# KiCad board central-control-unit.kicad_pcb (continued)
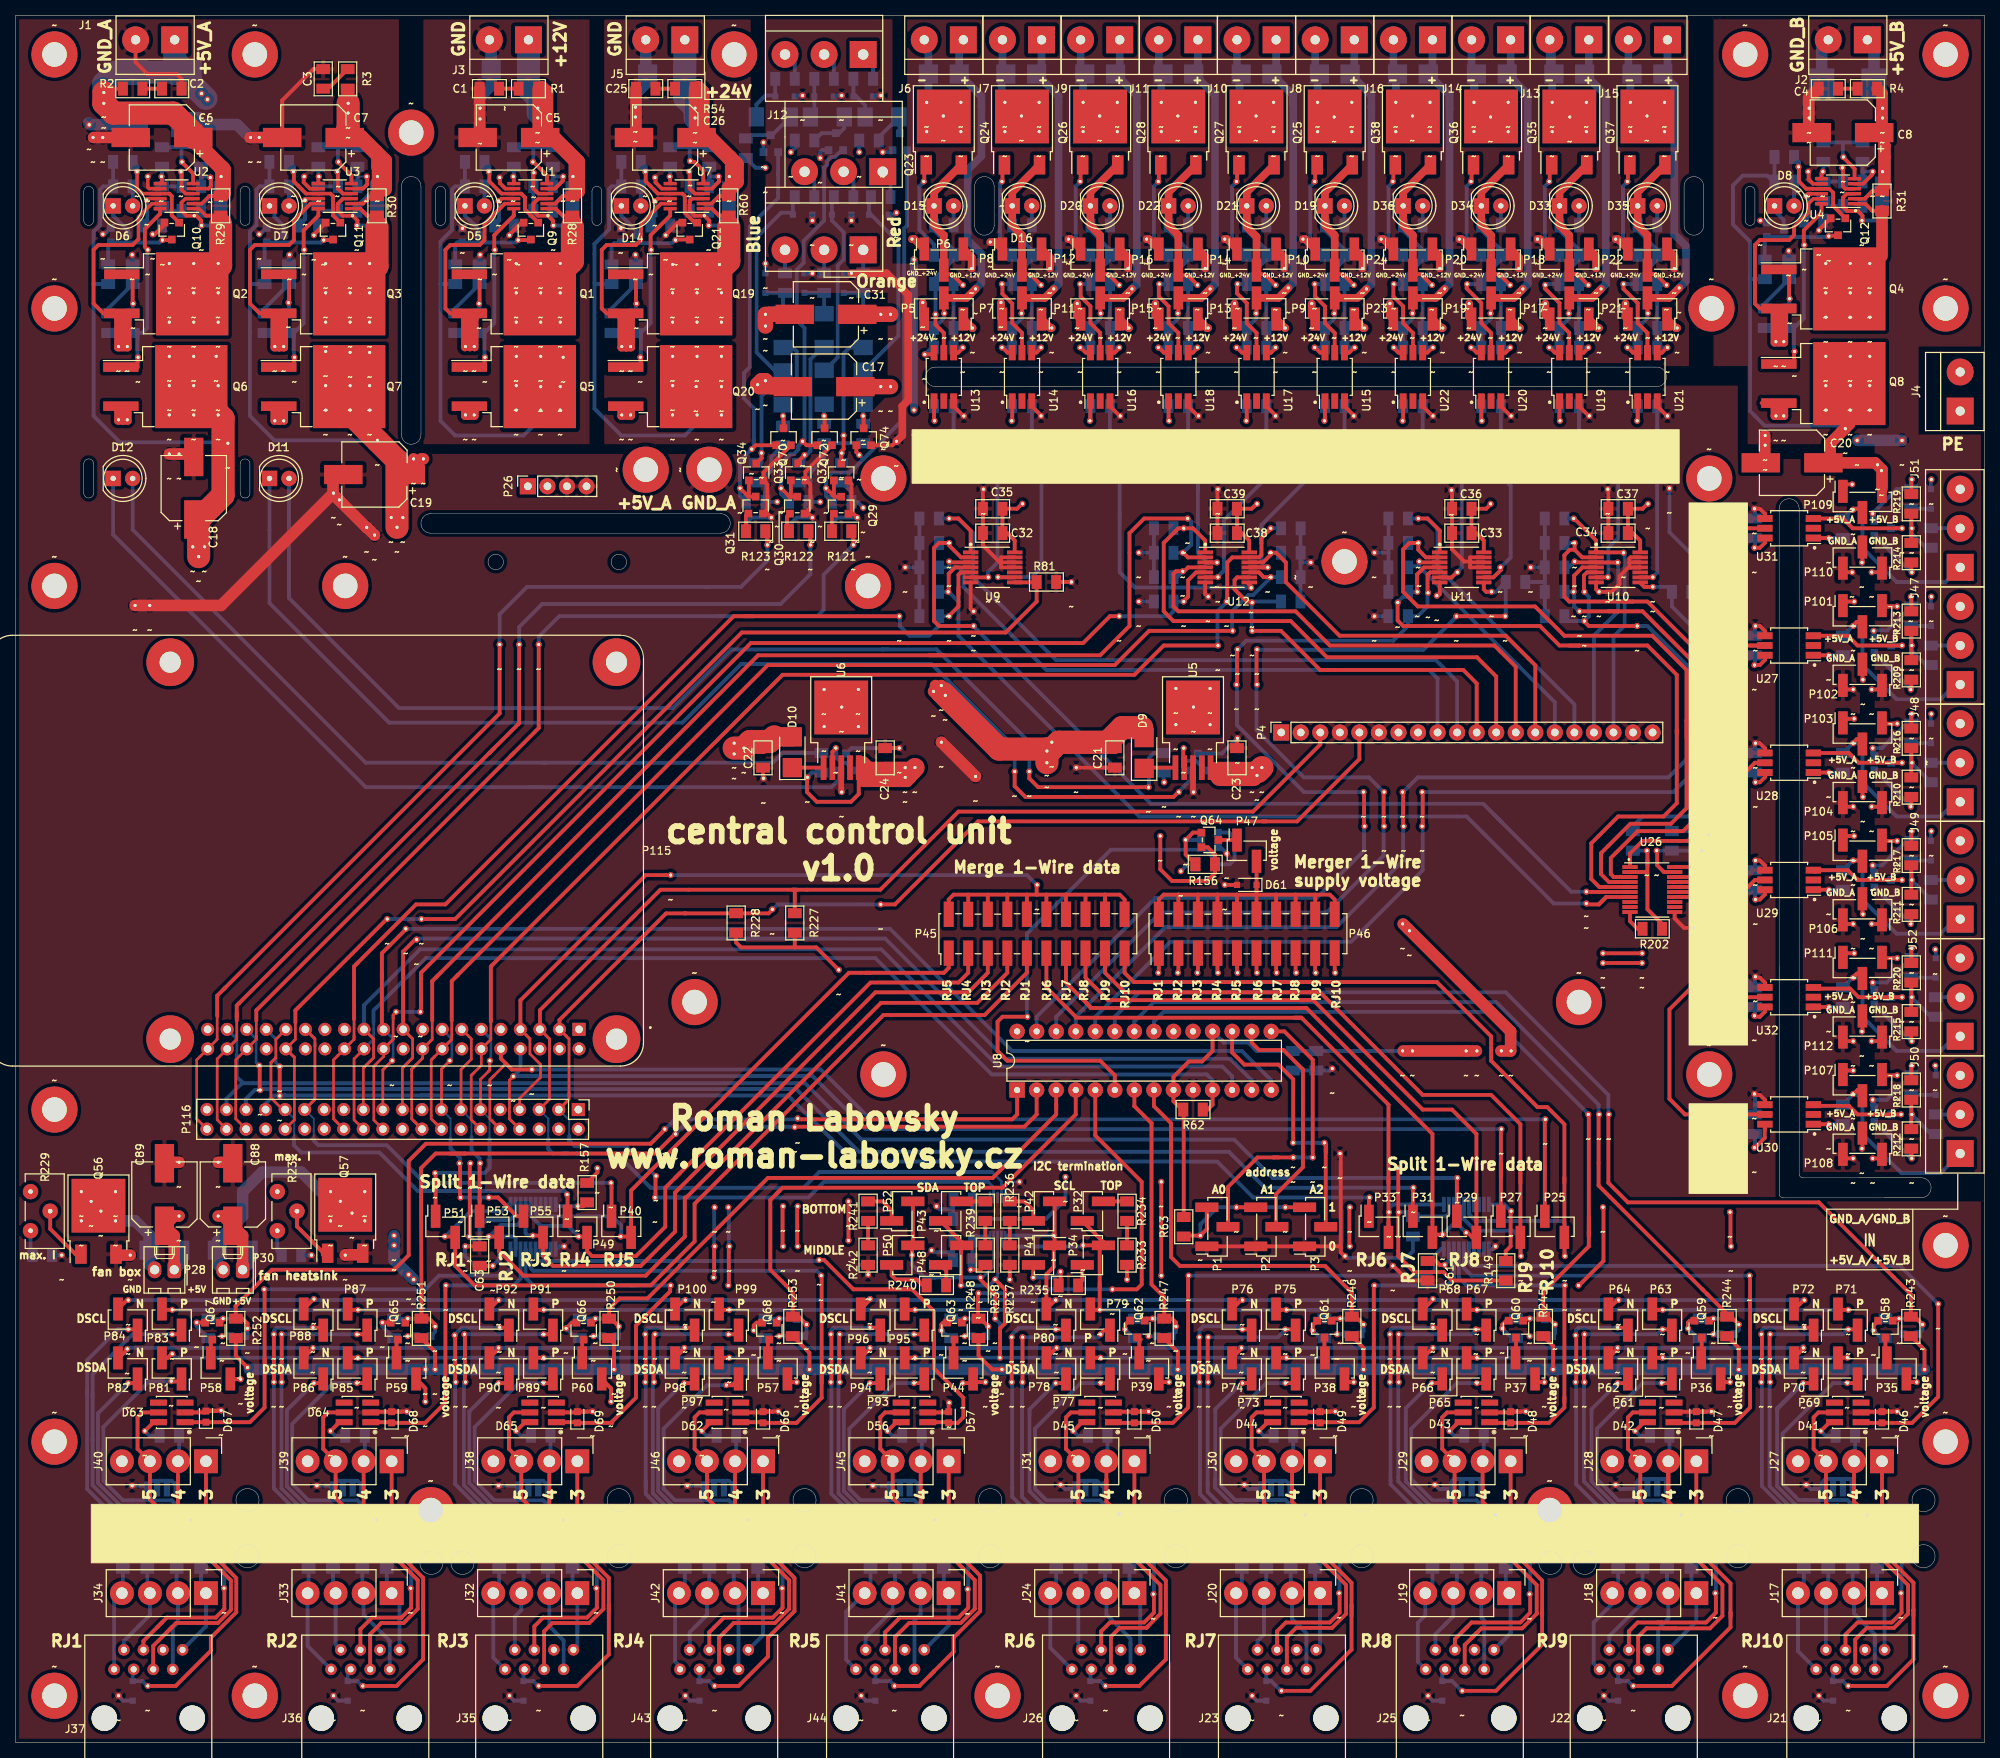
[diagram p0: board, top side]
## Routing (per net, layer and track width the routed paths; a pad name or vN(x,y) marks a point on that pad's centre or on a via; arc(x,y) is an arc through that point) (continued)
  Top w1.5: 60.33,211.2 60.33,208.91 ; 60.33,208.91 C5.2 ; 60.33,208.91 C1.2
  Top w2: 98.23,176.28 ~#1070.~ 96.96,177.04 ~#1071.~ 96.71,176.28 C17.2 98.23,176.28
  GND.Cu w1.5: 58.1,196.72 63.82,196.72 64.45,197.36 ; 65.09,197.99 64.45,197.36 ; 64.45,197.36 63.06,195.96 ; 63.06,195.96 60.33,195.96 61.79,195.96 ; 63.06,195.96 64.14,195.96 ; 93.34,169.93 95.25,171.83
  GND.Cu w2: 96.46,173.04 95.25,171.83 ; 96.46,173.04 96.46,174.5 ; 96.46,173.04 93.34,169.93 78.74,169.93 75.25,173.42 75.25,180.4 73.66,181.99 64.14,181.99 62.23,183.9 62.23,188.98 60.33,190.88 60.33,195.96 ; ~#501.~ ~#736.~ 122.24,191.64 ; 96.46,176.28 96.71,176.28 ~#1070.~ 103.31,177.04 106.87,180.59 112.46,180.59 116.01,184.15 116.01,188.72 118.94,191.64 122.24,191.64 ; 96.46,176.28 96.46,174.5 ; 96.46,176.28 ~#1071.~ 97.22,177.29 ; 122.24,191.64 120.33,191.64 ; 96.46,174.5 96.46,175.01 ; 60.33,212.47 60.33,209.11 63.18,206.25 63.18,202.72 65.09,200.81 65.09,197.33 63.93,196.17
  Bottom w0.5: C13.2 60.33,193.42 ; C9.2 64.77,196.6 64.14,195.96
  Bottom w1: 61.59,220.73 61.59,217.16 61.83,216.92 61.83,215.41
  Bottom w1.5: 60.33,211.2 60.33,213.9 61.83,215.41 61.83,220.49 61.59,220.73
GND_+24V: length 271
  Top w0.45: U7.8 83.99,202.02
  Top w0.5: 84.45,195.96 86.09,197.6 Q21.2 ; 83.99,202.02 83.19,202.82 83.19,203.58 ; 126.79,194.82 127.61,194.82 ; 118.11,194.48 P6.1 ; 128.27,194.48 P8.1
  Top w1: 158.09,194.82 158.75,194.16 157.46,195.45 ~#961.~ ; P22.1 208.26,195.45 ~#500.~ ; 117.45,194.82 P6.1 116.82,195.45 ~#744.~ ; 198.73,194.82 P18.1 198.1,195.45 ~#737.~ ; 178.41,194.82 P24.1 177.78,195.45 ~#739.~ ; 147.93,194.82 148.59,194.16 147.3,195.45 ~#741.~ ; ~#738.~ 187.94,195.45 P20.1 188.57,194.82 ; 137.77,194.82 P12.1 137.14,195.45 ~#742.~ ; 127.61,194.82 P8.1 127.36,195.07 ~#743.~ ; ~#740.~ 167.62,195.45 P10.1 168.25,194.82
  Top w1.5: 81.47,208.66 C26.2 ; C25.2 80.64,208.91
  Top w2: ~#1075.~ 97.47,185.17 97.98,185.67 C31.2 ~#1074.~
  GND.Cu w1: 115.7,194.76 115.83,194.76 ~#744.~
  GND.Cu w1.5: 82.87,197.36 82.36,196.85 ~#837.~ ; 82.87,197.36 81.72,196.22 80.84,196.22 80.64,196.02 ; 82.87,197.36 84.77,199.26 ; 82.74,195.96 84.45,195.96 ; 82.74,195.96 81.72,195.96 ; 82.74,195.96 80.71,195.96 80.64,196.02 ; 80.64,196.02 80.64,191.52 ; 80.64,209.11 80.64,212.47 ; 93.98,182.63 84.45,182.63
  GND.Cu w2: 133.89,195.48 129.38,195.49 128.65,194.76 115.7,194.76 113.73,192.79 113.73,191.01 108.39,185.67 ~#1074.~ 97.47,183.9 96.2,182.63 84.45,182.63 82.63,184.45 82.63,189.53 80.64,191.52 80.64,195.9 80.71,195.96 ; 133.89,195.48 165.42,195.45 ; 133.89,195.48 129.38,195.48 128.71,194.82 ; 81.72,196.22 84.77,199.26 84.77,201.43 83.38,202.82 83.38,206.37 80.64,209.11 80.64,212.53 ~#834.~ ; 207.92,195.45 164.68,195.45
  Bottom w0.5: 78.62,196.91 ~#837.~ ; D13.2 82.16,216.52 ; 84.45,195.96 85.09,196.6 C27.2 ; C28.2 80.64,193.42
  Bottom w1.5: 80.64,211.2 80.64,214.38 82.16,215.89 D13.2 81.91,217.16 81.91,220.73
GND_A: length 3752.3
  Top w0.25: 37.46,203.49 37.55,203.58
  Top w0.45: U3.8 38.27,202.02 ; 17.87,202.02 U2.8 17.38,202.02 17.21,202.18 ~#795.~
  Top w0.5: C63.2 58.42,64.52 ; 182.46,60.07 C61.2 180.98,60.07 179.07,61.98 ; P1.1 P2.1 P3.1 172.09,64.52 172.24,64.37 ; U21.3 213.36,173.74 214.63,172.47 ; U19.3 203.2,173.74 204.47,172.47 ; U18.3 152.4,173.74 153.67,172.47 ; U13.3 121.92,173.74 123.19,172.47 ; U15.3 172.72,173.74 173.99,172.47 ; U16.3 142.24,173.74 143.51,172.47 ; 133.35,172.47 132.08,173.74 U14.3 ; 194.31,172.47 193.04,173.74 U20.3 ; U22.3 182.88,173.74 184.15,172.47 ; 163.83,172.47 162.56,173.74 U17.3 ; Q11.2 40.32,197.55 38.73,195.96 ; 37.46,203.49 37.46,202.82 38.27,202.02 ; C3.2 38.73,217.55 34.67,213.49 34.67,210.82 ; 34.67,210.82 34.67,212.22 ; 34.67,210.82 C7.2 ; U9.11 128.08,152.78 128.08,154.05 128.11,154.08 U9.13 ; 107.32,123.57 107.31,123.57 ; D49.2 169.58,43.05 ~#244.~ ; D49.2 170.91,43.02 ; D49.2 166.92,43.02 D44.2 ; ~#673.~ 216.85,105.92 215.63,107.14 215.63,107.93 ; D42.2 215.63,43.02 D47.2 ; D69.2 72.94,42.93 D65.2 ; D69.2 74.39,43.02 ; D69.2 73.06,43.05 ~#204.~ ; 226.06,129.92 226.7,129.92 227.36,129.26 U28.4 ; D48.2 195.67,43.02 ; D48.2 194.35,43.05 ~#259.~ ; D48.2 194.22,42.93 D43.2 ; J1.2 15.62,218.44 17.15,216.92 20.95,216.92 21.59,216.28 C2.2 21.59,214.38 ; R81.2 137.16,150.88 ; D64.2 46.27,43.02 D68.2 ; 156.21,162.94 C39.2 C38.1 ; 238.76,91.19 237.49,91.19 P112.3 ; U30.4 227.36,83.54 226.7,84.2 226.06,84.2 ; 206.69,149.61 207.45,149.61 208.47,150.62 208.47,151.64 209.59,152.76 209.89,152.76 ; 206.69,149.61 ~#650.~ ; 206.69,149.61 206.95,149.61 ; ~#233.~ 145.45,43.05 D50.2 ; P102.3 238.02,136.91 238.76,136.91 ; 238.76,106.43 238.02,106.43 P106.3 ; U11.12 189.15,153.43 189.04,153.54 ; U32.4 227.36,98.78 226.7,99.44 226.06,99.44 ; U31.4 227.36,159.74 226.7,160.4 226.06,160.4 ; U10.12 209.76,153.43 209.74,153.42 ; 153.04,123.57 153.04,123.57 ; ~#214.~ 97.19,43.05 D66.2 ; 154.94,148.97 154.62,149.29 U12.7 ; D66.2 97.06,42.93 D62.2 ; D66.2 98.52,43.02 ; 226.06,145.16 226.7,145.16 227.36,144.5 227.36,143.89 ; C21.2 137.8,126.75 ; ~#1088.~ 97.71,159.78 Q31.2 97.73,160.36 97.73,163.58 Q34.2 97.22,165.1 Q70.2 ; 124.46,147.07 124.14,147.39 U9.7 ; 129.22,62.1 ~#987.~ ; ~#79.~ 24.84,43.18 D67.2 ; D68.2 50.25,43.02 ; D68.2 48.93,43.05 ~#183.~ ; D67.2 24.59,42.93 D63.2 ; D67.2 26.21,43.11 ; 184.79,148.97 185.1,149.28 U11.7 ; Q10.2 19.37,197.34 17.99,195.96 ; ~#1089.~ 103.06,159.77 Q30.2 103.31,160.53 103.31,163.58 102.79,164.1 Q33.2 102.67,165.22 Q72.2 ; 172.24,64.37 172.24,76.43 172.09,76.58 ; 172.24,64.37 172.24,63.73 172.72,63.25 ; 189.04,153.54 188.28,153.54 186.69,155.13 C33.1 C36.2 186.69,162.73 ; 189.04,153.54 189.04,152.78 U11.11 ; 189.04,153.54 189.04,154.05 189.07,154.08 U11.13 ; D50.2 146.78,43.02 ; D50.2 142.79,43.02 D45.2 ; 207.01,162.94 C37.2 C34.1 ; 209.89,152.76 211.11,152.76 211.14,152.78 U10.11 ; 209.89,152.76 209.74,152.91 209.74,153.42 ; P108.3 238.02,75.95 238.76,75.95 ; P110.3 238.02,152.15 238.76,152.15 ; 209.74,153.42 209.74,153.92 209.9,154.08 U10.13 ; D56.2 121.2,42.93 D57.2 121.29,44.2 ; ~#378.~ D61.2 ; P104.3 238.02,121.67 238.76,121.67 ; D47.2 218.48,43.05 ~#270.~ ; D47.2 219.8,43.02 ; 226.06,114.68 226.7,114.68 227.36,114.02 U29.4 ; D46.2 242.61,43.05 ~#141.~ ; D46.2 243.93,43.02 ; D46.2 239.94,43.02 D41.2 ; 158.75,130.56 C23.2 ; ~#1090.~ 108.9,159.77 Q29.2 108.65,160.15 108.65,163.58 108.26,163.96 Q32.2 ; C22.2 97.16,125.48 ; ~#1091.~ 113.98,168.66 Q74.2 ; 110.81,62.1 ~#986.~ ; U10.7 205.42,149.93 205.74,149.61 ; 125.73,162.94 C35.2 C32.1 125.73,155.64 127.94,153.43 U9.12 ; C24.2 114.94,129.29
  Top w0.75: U6.3 107.32,123.57 ; U5.3 153.04,123.57
  Top w1: ~#1093.~ 113.22,191.01 116.01,188.21 116.01,174.5 115.25,173.74 115.25,169.93 ~#1091.~
  Top w1.5: 41.66,164.85 41.27,164.47 41.27,162.31 42.32,161.26 ; 30.48,208.66 C7.2 ; 23.43,167.51 ~#426.~ ~#788.~ ; 44.51,63.42 42.91,63.42 ~#290.~ ; 42.32,161.26 41.66,161.93 ; 42.32,161.26 45.72,157.86 ; Q56.2 13.19,63.37 ~#1020.~ ; ~#403.~ ~#404.~ ; ~#287.~ 19.49,75.44 19.37,75.31 ; 28.26,75.31 28.13,75.44 ~#286.~ ; C6.2 10.16,208.66 ; ~#770.~ ~#1002.~ ; 19.37,73.53 19.21,73.53 ; ~#1010.~ ~#1011.~ 26.73,147.83 ~#771.~
  GND.Cu w0.5: 126.36,166.75 125.73,166.12 125.73,156.59 124.46,155.32 124.46,147.07 ; 175.9,166.75 176.53,166.12 176.53,146.43 ; 155.58,166.75 156.21,166.12 156.21,156.59 154.94,155.32 154.94,148.97 ; 152.34,43.31 152.08,43.05 ~#233.~ ; 152.34,43.31 152.34,37.15 150.91,35.72 ; 152.34,43.31 152.34,43.69 ; 150.91,35.72 151.13,35.94 ; 150.91,35.72 148.72,33.53 ~#66.~ ; 71.56,67.06 71.66,67.15 ; 71.66,67.15 71.12,67.69 ; 71.66,67.15 71.75,67.06 ; 108.39,47.62 108.39,57.78 106.68,59.5 ; 108.39,47.62 108.39,42.54 106.68,40.83 106.68,33.4 ; 108.39,47.62 108.39,47.24 ; 106.68,63.88 106.68,65.79 ; 106.68,65.79 106.68,59.5 ; 106.68,65.79 106.68,67.5 106.57,67.61 ; ~#194.~ 55.56,52.83 ; 55.56,52.83 55.56,43.05 ; 55.56,52.83 55.56,57.02 54.61,57.98 54.61,58.8 ; 153.04,123.57 153.04,122.3 152.4,121.67 ; 200.58,67.61 200.03,67.06 200.03,59.44 ; 225.36,43.56 225.49,43.43 ; 225.49,43.43 225.49,53.09 ; 225.49,43.43 225.11,43.05 ~#270.~ ; 225.49,43.43 225.49,37.34 224.16,36 224.16,35.94 221.62,33.4 207.65,33.4 ; 249.87,46.86 249.87,54.86 248.28,56.45 248.28,58.61 243.95,62.95 ; 249.87,46.86 246.06,43.05 ; 249.87,46.86 248.03,45.02 ; 106.68,59.5 106.68,59.44 ; 224.16,159.77 224.79,160.4 226.06,160.4 ; 178.99,67.61 178.67,67.29 178.67,62.38 179.07,61.98 ; 152.34,52.83 152.34,58.17 151.13,59.37 151.13,61.34 ; 152.34,52.83 152.34,43.69 ; 152.34,52.83 150.56,52.83 ; 133.35,172.47 133.35,167.39 133.99,166.75 ; 54.61,58.8 54.61,67.5 ; 54.61,58.8 54.61,59.44 ; 62.86,33.4 76.2,33.4 78.33,35.53 ; ~#244.~ 176.59,43.05 176.72,42.93 ; 78.33,35.53 78.74,35.94 ; 78.33,35.53 80.33,37.53 80.33,43.05 ; 121.92,77.22 121.92,96.9 122.55,97.54 ; 121.92,77.22 126.81,77.22 130.49,73.53 ~#989.~ ; 121.92,77.22 119.7,74.99 ~#988.~ ; 104.46,52.96 104.46,58.29 102.87,59.88 102.87,66.87 ; 104.46,52.96 104.33,52.83 ~#1043.~ ; 104.46,52.96 104.46,43.05 ; ~#141.~ 246.06,43.05 ; 246.06,43.05 246.19,42.93 246.19,34.93 ; 174.18,166.75 173.99,166.94 173.99,172.47 ; 224.16,59.44 224.16,57.72 225.49,56.39 225.49,53.09 ; 224.16,59.44 224.16,67.06 223.6,67.61 ; 224.16,59.44 224.16,58.8 ; 186.69,166.75 186.69,156.59 184.79,154.69 184.79,148.97 ; 168.28,153.42 168.28,166.75 ; 106.68,33.4 124.46,33.4 127,35.94 127,48.64 126.36,49.28 126.36,52.77 126.43,52.83 ; 106.68,33.4 106.68,11.18 ; 237.41,105.71 238.12,106.43 238.76,106.43 ; 193.04,67.53 192.96,67.61 ; 192.96,67.61 193.04,67.69 ; 192.96,67.61 192.41,67.06 192.41,64.52 ; ~#79.~ 31.43,43.18 ; 31.43,43.18 31.43,52.83 ; 31.43,43.18 31.43,36.89 27.94,33.4 15.24,33.4 10.79,28.96 10.79,10.54 ; 54.26,35.59 54.32,35.59 55.56,36.83 55.56,43.05 ; 54.26,35.59 52.07,33.4 38.73,33.4 34.29,28.96 34.29,16.26 ; 54.26,35.59 54.61,35.94 ; ~#183.~ 55.56,43.05 ; 121.29,44.2 127,44.2 ; 102.46,35.53 102.87,35.94 ; 102.46,35.53 100.33,33.4 87,33.4 82.55,28.96 82.55,10.54 87,6.1 ; 102.46,35.53 104.46,37.53 104.46,43.05 ; 201.36,52.83 201.36,42.8 ; 201.36,52.83 ~#258.~ ; 201.36,52.83 201.36,56.51 200.03,57.85 200.03,59.44 ; 205.74,149.61 205.74,155.32 207.01,156.59 207.01,166.75 ; 196.85,152.78 196.85,166.75 ; 237.41,136.83 237.49,136.91 238.76,136.91 ; ~#214.~ 104.46,43.05 ; 157.42,112.78 157.42,112.52 ; 157.42,112.78 157.42,111.76 ~#378.~ 148.27,111.51 146.69,109.92 146.69,98.17 146.05,97.54 ; 157.42,112.78 ~#1064.~ ; 115.57,152.78 115.57,160.85 121.29,166.56 121.29,166.75 ; 80.33,43.05 80.33,52.96 ; 80.33,43.05 ~#204.~ ; 226.06,145.16 224.16,145.16 ; 237.41,91.9 238.12,91.19 238.76,91.19 ; 126.3,52.71 126.43,52.83 ; 126.43,52.83 ~#1039.~ ; 126.43,52.83 127.57,52.83 129.22,54.48 ~#987.~ 129.22,67.56 129.1,67.69 ; 204.47,172.47 204.47,166.94 204.66,166.75 ; 151.13,60.07 151.13,61.34 ; 151.13,61.34 151.13,67.53 151.21,67.61 ; 106.68,9.91 106.68,11.18 ; 106.68,11.18 106.68,9.27 109.86,6.1 ; 80.33,52.96 80.33,61.47 77.47,64.33 77.47,67.69 ; 80.33,52.96 80.2,52.83 ~#1038.~ ; U8.10 153.04,83.57 153.67,82.93 171.26,82.93 ; 224.16,118.3 223.84,117.98 ~#669.~ ; 176.72,53.09 176.72,42.93 ; 176.72,53.09 176.72,56.51 175.26,57.98 175.26,67.53 175.34,67.61 ; 176.72,53.09 174.43,53.09 ; 176.72,53.09 ~#245.~ 174.43,53.09 ; 143.32,166.75 143.51,166.94 143.51,172.47 ; 214.63,172.47 214.63,169.1 ; 214.63,169.1 214.63,168.66 ; 214.63,169.1 214.63,167.39 214,166.75 212.09,166.75 214.95,163.89 ~#656.~ ; 226.06,99.44 224.79,99.44 224.16,98.81 ; 207.71,24.89 207.71,23.75 203.84,19.88 203.84,8.64 206.38,6.1 ; 207.71,24.89 207.71,33.27 ~#75.~ ; 207.71,24.89 207.71,24.38 ; 171.26,82.93 171.13,83.06 ~#318.~ ; 171.26,82.93 171.45,82.93 172.09,82.3 172.09,76.58 ; ~#673.~ 223.84,105.92 224.16,106.24 ; 174.43,53.09 175.26,53.09 ; 237.41,75.39 237.96,75.95 238.76,75.95 ; 163.83,172.47 163.83,166.94 163.64,166.75 ; 153.67,172.47 153.67,166.94 153.48,166.75 ; ~#57.~ 62.8,24.26 58.42,19.88 58.42,11.81 64.14,6.1 ; 34.29,16.26 34.29,13.08 41.27,6.1 ; 34.29,16.26 34.29,15.62 ; 160.66,6.1 154.94,11.81 154.94,28.77 ~#70.~ 172.85,33.53 175.26,35.94 175.32,35.94 176.72,37.34 176.72,42.93 ; 114.94,129.29 113.66,129.29 113.03,128.65 113.03,123.57 ; 225.49,53.09 ~#269.~ ; 102.87,60.71 102.87,66.87 ; 102.87,66.87 102.87,67.69 ; 184.15,172.47 184.15,166.94 183.96,166.75 ; 58.42,64.52 57.7,65.23 57.7,68.41 ; 146.05,148.34 146.05,166.75 ; 152.34,43.69 152.21,43.56 ; 200.03,59.44 200.03,58.8 ; 150.56,52.83 ~#234.~ ; 150.56,52.83 150.94,52.83 ; 194.31,172.47 194.31,166.94 194.12,166.75 ; 158.75,130.56 158.75,121.67 ; 183.52,6.1 179.71,9.91 179.71,28.96 184.15,33.4 197.49,33.4 200.03,35.94 200.03,36 201.36,37.34 201.36,42.8 ; 10.79,16.89 10.79,8.64 13.33,6.1 ; 110.6,67.61 110.81,67.4 ~#986.~ 110.81,67.18 ; 232.41,33.4 227.97,28.96 227.97,12.45 234.32,6.1 ; 246.19,34.93 244.79,33.53 ~#76.~ ; 246.19,34.93 245.3,34.04 ; 238.76,152.15 237.49,152.15 237.41,152.07 ; ~#990.~ 119.06,67.18 119.49,67.61 ; 246.57,43.56 248.03,45.02 ; 248.03,45.02 248.28,45.28 ; 123.19,172.47 123.19,166.94 123,166.75 ; ~#259.~ 201.1,43.05 201.36,42.8 ; 109.92,168.91 114.24,168.91 ; 238.76,121.67 237.49,121.67 237.41,121.75 ; 97.16,125.48 97.16,124.21 97.79,123.57 ; 170.82,87.38 171.1,87.66 ; ~#80.~ 31.43,52.83 ; 31.43,52.83 31.43,55.12 ; 181.61,67.69 181.69,67.61 ; ~#288.~ ~#1020.~ ; 226.06,129.92 224.16,129.92 ; 243.95,68.12 243.95,63.45 ; ~#295.~ 71.31,67.06 ; 224.16,115.32 224.79,114.68 226.06,114.68 ; 137.8,126.75 137.8,122.3 138.43,121.67 ; 135.89,33.4 130.81,28.32 130.81,13.08 137.8,6.1 ; 137.16,150.88 139.7,150.88 ; 223.71,107.7 224.16,108.14
  GND.Cu w1: 98.36,198.5 99,199.14 99,205.99 ; 98.36,198.5 96.71,196.85 96.71,193.04 ~#1094.~ 98.74,191.01 ~#1093.~ ; 98.36,198.5 99,197.87 ~#1097.~ ~#1096.~ 113.47,197.87 ~#1095.~ ; 107.63,208.03 111.44,208.03 ~#1100.~ ; 107.63,208.03 107.38,208.28 ~#1102.~ ; 107.63,208.03 104.33,208.03 ; 99,205.99 99,208.03 ; 99,205.99 99,207.26 ; 99.06,147.07 99.16,146.97 100.02,147.84 100.02,159.25 100.01,159.26 ; 110.68,168.91 110.67,168.9 106.61,168.9 102.81,165.1 102.81,159.26 ; ~#1099.~ 104.58,207.77 104.33,208.03 ; 99,208.03 ~#1098.~ 98.23,208.03 ; 99,208.03 104.33,208.03 ; 102.81,159.26 100.01,159.26 ; 102.81,159.26 ~#1090.~ ; 100.01,159.26 ~#1088.~ ; ~#1103.~ ~#1101.~ ; 109.92,168.91 114.24,168.91 ~#1091.~
  GND.Cu w1.5: 139.7,166.75 121.29,166.75 ; 139.7,166.75 139.7,145.16 118.11,123.57 108.58,123.57 ; 139.7,166.75 212.09,166.75 ; 38.1,186.44 38.1,188.34 35.56,190.88 35.56,195.77 35.24,196.09 ; 38.1,186.44 38.1,169.29 41.27,166.12 41.27,162.31 41.34,162.31 ~#1003.~ ; 38.1,186.44 38.1,187.71 ; 30.48,208.66 34.92,208.66 37.55,206.03 37.55,203.3 39.07,201.79 39.07,198.64 36.39,195.96 ; 16.83,197.36 16.83,197.13 17.84,196.12 ; 16.83,197.36 15.24,195.77 ; 16.83,197.36 18.73,199.26 18.73,201.43 17.15,203.02 17.15,203.58 17.23,203.66 17.23,205.41 16.51,206.12 13.97,206.12 ; 9.53,208.03 9.53,215.65 15.24,221.36 J1.2 15.62,218.88 24.19,210.31 28.89,210.31 ~#783.~ ; 9.53,208.03 10.16,208.66 11.43,208.66 ; 9.53,208.03 11.43,206.12 13.97,206.12 ; 13.97,206.12 15.24,206.12 ; 13.97,206.12 12.7,206.12 ; 224.16,99.89 224.16,121.67 ; 224.16,99.89 224.16,98.81 ; 224.16,99.89 224.16,92.27 226.06,90.36 226.06,84.2 ; 186.69,121.67 172.53,121.67 ; 186.69,121.67 197.04,121.67 ; 186.69,121.67 186.69,124.21 184.88,126.02 181.01,126.02 177.2,129.83 P4.6 ; 11.43,196.09 14.73,196.09 ; 138.54,67.61 135.37,67.61 ; 138.54,67.61 63.58,67.61 62.78,68.41 ; 138.54,67.61 153.78,67.61 ; 62.78,68.41 55.52,68.41 48.58,61.47 39.05,61.47 35.56,57.98 34.29,57.98 31.43,55.12 ; 62.78,68.41 63.5,67.69 ; ~#286.~ ~#287.~ 14.29,75.44 13.02,76.71 13.02,145.29 ~#1010.~ ~#1011.~ ; 77.47,161.04 74.93,161.04 ; 77.47,161.04 73.02,161.04 ; 77.47,161.04 85.72,161.04 ~#12.1 ; 202.04,67.61 202.04,85.81 196.53,91.31 196.53,121.16 197.04,121.67 ; 202.04,67.61 240.75,67.61 ; 202.04,67.61 153.78,67.61 ; 35.24,196.09 31.75,196.09 ; 35.24,196.09 35.37,195.96 36.39,195.96 ; 15.24,195.77 15.24,190.88 17.78,188.34 17.78,169.74 ~#788.~ 20,154.37 29.31,145.07 ; 15.24,195.77 16.19,196.72 ; ~#404.~ 117.48,132.91 117.48,135.45 105.95,146.97 56.61,146.97 45.66,157.92 ~#770.~ ; 72.77,163.32 72.77,161.29 73.02,161.04 ; 72.77,163.32 74.17,163.32 ; 72.77,163.32 71.63,163.32 ; 153.78,67.61 151.21,67.61 ; P4.4 172.12,122.08 172.53,121.67 ; 224.16,127.19 224.16,161.67 226.7,164.21 234.79,164.21 237.41,161.59 237.41,79.68 ; 224.16,127.19 223.84,127.51 212.54,127.51 210.22,129.83 P4.19 ; 224.16,127.19 224.16,121.67 ; 172.53,121.67 133.54,121.67 ; 237.41,79.68 237.41,78.57 ; 237.41,79.68 237.41,75.39 ; 36.39,195.96 38.73,195.96 ; 29.31,145.07 45.28,161.04 73.02,161.04 ; 29.31,145.07 50.8,123.57 108.58,123.57 ; 197.04,121.67 224.16,121.67 ; 241.85,68.12 240.75,68.12 243.95,68.12 ; ~#1020.~ 16.19,64.64 35.88,64.64 R232.1 ~#290.~ ; 133.54,121.67 130.81,121.67 ; 133.54,121.67 128.71,121.67 ~#403.~ ; 108.58,123.57 108.58,107.06 118.11,97.54 169.55,97.54 171.1,95.98 171.1,87.66 ; ~#782.~ 30.92,208.66 ; 23.81,64.64 23.81,75.44
  Bottom w0.25: U25.5 128.64,71.04
  Bottom w0.35: ~#989.~ 129.22,72.9 128.64,72.31 U25.5
  Bottom w0.5: C60.1 181.61,63.88 180.76,63.03 178.02,63.03 ; 58.42,64.52 58.42,63.25 59.69,61.98 C62.1 ; 39.37,197.23 39.37,196.6 38.73,195.96 ; C15.2 35.56,193.42 ; 178.44,154.69 R79.2 ; 178.44,154.69 176.53,154.69 ; 178.44,154.69 R72.2 ; ~#669.~ 219.52,118.49 C69.2 ; 70.25,64.15 70.62,64.52 ~#295.~ ; 212.09,32.99 212.09,34.04 212.31,34.26 ; D81.7 67.94,34.04 ; 67.94,34.04 68.58,34.04 69.22,33.4 D81.8 ; 67.94,34.04 66.67,34.04 ; D78.7 140.34,34.04 ; 140.34,34.04 140.56,34.04 D78.8 ; 140.34,34.04 139.07,34.04 ; 92.08,34.04 92.71,34.04 93.34,33.4 D83.8 ; 92.08,34.04 D83.7 ; 92.08,34.04 90.8,34.04 ; 187.74,34.26 186.91,34.26 186.69,34.04 D75.5 185.83,32.99 ; 187.74,34.26 187.96,34.04 D75.6 ; 187.74,34.26 189.01,34.26 ; 164.47,34.04 163.2,34.04 ; 164.47,34.04 D77.7 ; 164.47,34.04 165.1,34.04 165.74,33.4 D77.8 ; 163.2,34.04 162.56,34.04 161.93,33.4 D77.5 ; 163.2,34.04 D77.6 ; 220.98,131.64 220.98,147.51 218.88,149.61 R83.2 217.81,154.5 214.95,157.35 ~#656.~ ; 220.98,131.64 220.98,124.02 217.36,120.4 211.46,120.4 210.19,119.13 C68.1 ; 220.98,131.64 220.98,131.19 ; D70.2 87.63,5.46 87,6.1 ; ~#60.~ 89.12,33.4 D83.5 89.53,33.4 90.17,34.04 90.8,34.04 ; 160.66,6.1 161.29,5.46 D54.2 ; ~#1064.~ 156.59,116.4 Q45.2 ; Q73.2 104.85,207.03 104.58,206.76 ~#1099.~ ; 19.69,32.77 D79.7 19.69,34.04 ; D77.5 161.07,32.99 ; D77.5 160.24,32.99 ~#70.~ ; 19.69,34.04 20.32,34.04 20.95,33.4 D79.8 ; 19.69,34.04 18.41,34.04 ; 42.55,34.04 43.81,34.04 ; 42.55,34.04 D80.6 ; 42.55,34.04 41.91,34.04 41.27,33.4 D80.5 40.86,33.4 ~#53.~ ; 43.81,34.04 44.45,34.04 45.09,33.4 D80.8 ; 43.81,34.04 D80.7 ; 212.31,34.26 213.14,34.26 ; 212.31,34.26 211.04,34.26 210.82,34.04 D74.5 209.14,32.99 ; 213.14,34.26 214.41,34.26 214.63,34.04 D74.8 ; 213.14,34.26 213.36,34.04 D74.7 ; ~#1100.~ 113.73,206.76 Q71.2 ; 38.42,63.37 R232.1 ; 209.14,32.99 208.5,32.99 ~#75.~ ; 209.14,32.99 208.7,32.99 ; D32.2 ~#1094.~ ; 237.27,34.26 238.54,34.26 238.76,34.04 D76.8 ; 237.27,34.26 237.49,34.04 D76.7 ; 237.27,34.26 236.44,34.26 ; 226.06,84.01 C79.2 C73.2 ; 226.06,84.01 226.06,84.2 ; 226.06,84.01 226.06,82.93 ; ~#1095.~ 114.24,198.63 D101.2 ; 41.27,6.1 41.91,5.46 D72.2 ; 18.41,33.4 D79.6 18.41,34.04 ; C75.2 224.16,100.08 C81.2 226.06,99.44 ; 234.09,32.99 233.46,32.99 ; 234.09,32.99 D76.5 234.95,34.04 235.17,34.26 236.44,34.26 ; 234.09,32.99 233.27,32.99 ~#76.~ ; R69.2 R80.2 ; 22.86,210.98 D3.2 ; D51.2 234.95,5.46 234.32,6.1 ; 178.02,63.03 172.94,63.03 172.72,63.25 ; 178.02,63.03 176.75,63.03 ; 183.52,6.1 184.15,5.46 D53.2 ; ~#80.~ 26.88,52.85 Q47.2 ; ~#234.~ 148.32,52.83 Q43.2 ; C67.2 121.86,63.75 ; 121.86,63.75 119.32,63.75 ; 121.86,63.75 121.86,65.21 C66.2 ; ~#1089.~ 101.54,159.26 100.52,158.24 R119.2 ; D76.6 236.22,34.04 236.44,34.26 ; ~#66.~ 136.37,32.99 D78.5 137.8,33.4 138.43,34.04 139.07,34.04 ; Q46.2 100.57,52.83 ~#1043.~ ; 226.06,114.68 C78.2 C72.2 ; 18.41,34.04 17.78,34.04 17.15,33.4 D79.5 16.73,33.4 15.24,33.4 ; ~#1102.~ 106.36,214.12 ; 185.83,32.99 185.01,32.99 ~#72.~ ; 185.83,32.99 185.2,32.99 ; C64.2 121.86,70.55 121.86,69.34 ; 189.01,34.26 189.23,34.04 D75.7 ; 189.01,34.26 190.28,34.26 190.5,34.04 D75.8 ; D71.2 13.97,5.46 13.33,6.1 ; D52.2 207.01,5.46 206.38,6.1 ; ~#1096.~ D98.2 ; 121.86,69.34 C65.2 121.92,68.01 ; 121.86,69.34 120.08,69.34 ~#988.~ ; R90.2 146.05,154.69 ; R68.2 115.57,152.78 ; ~#1097.~ D97.2 ; 11.43,196.09 11.58,196.09 Q14.2 ; ~#1038.~ Q49.2 ; 64.14,6.1 64.77,5.46 D73.2 ; ~#1103.~ 101.28,214.12 ; 62.86,33.4 64.99,33.4 D81.5 65.41,33.4 66.04,34.04 66.67,34.04 ; D82.7 116.2,34.04 ; 116.2,34.04 116.84,34.04 117.48,33.4 D82.8 ; 116.2,34.04 114.94,34.04 ; ~#63.~ 113.25,33.4 D82.5 113.66,33.4 114.3,34.04 114.94,34.04 ; ~#1092.~ D31.2 ; 139.07,34.04 D78.6 ; 66.67,34.04 D81.6 ; ~#194.~ 52.06,52.83 Q48.2 ; 114.94,34.04 D82.6 ; 198.76,150.88 R82.2 ; 198.76,150.88 R71.2 ; 198.76,150.88 R84.2 ; 90.8,34.04 D83.6 ; 17.99,195.96 19.05,197.02 C10.2 ; ~#1090.~ 106.87,159.26 106.11,158.5 R118.2 ; ~#269.~ 221.47,53.09 Q40.2 ; 167.01,153.42 R88.2 ; 167.01,153.42 168.28,153.42 ; 167.01,153.42 R93.2 ; 109.86,6.1 110.49,5.46 D60.2 ; 114.94,129.29 108.66,129.29 Q18.3 ; ~#1093.~ D30.2 ; 171.1,87.66 170.82,87.38 C30.2 ; R86.2 R87.2 ; ~#258.~ Q41.2 ; 31.75,196.09 31.83,196.09 Q15.2 ; ~#245.~ Q42.2 ; D55.2 138.43,5.46 137.8,6.1 ; C14.2 15.24,193.42 ; 222.89,143.89 226.06,143.89 226.06,145.16 ; ~#1101.~ 111.44,214.12 ; Q17.3 156.78,128.58 158.75,130.56 ; 192.41,64.52 192.04,64.15 U23.11 ; 226.06,129.92 C77.2 C71.2 ; R91.2 146.05,148.34 ; R85.2 176.53,146.43 ; R120.2 94.93,158.5 95.69,159.26 ~#1088.~ ; ~#288.~ R230.1 ; ~#1039.~ Q44.2 ; 226.06,160.4 C80.2 C74.2 ; R70.2 196.85,152.78 ; Q69.2 ~#1098.~
  Bottom w1.5: 31.75,208.66 30.48,208.66 28.8,210.34 D3.2 ; 9.53,210.57 9.75,210.34 D2.2
